# Altium PCB NG2092.PcbDoc (part 3 of 5) (continued)
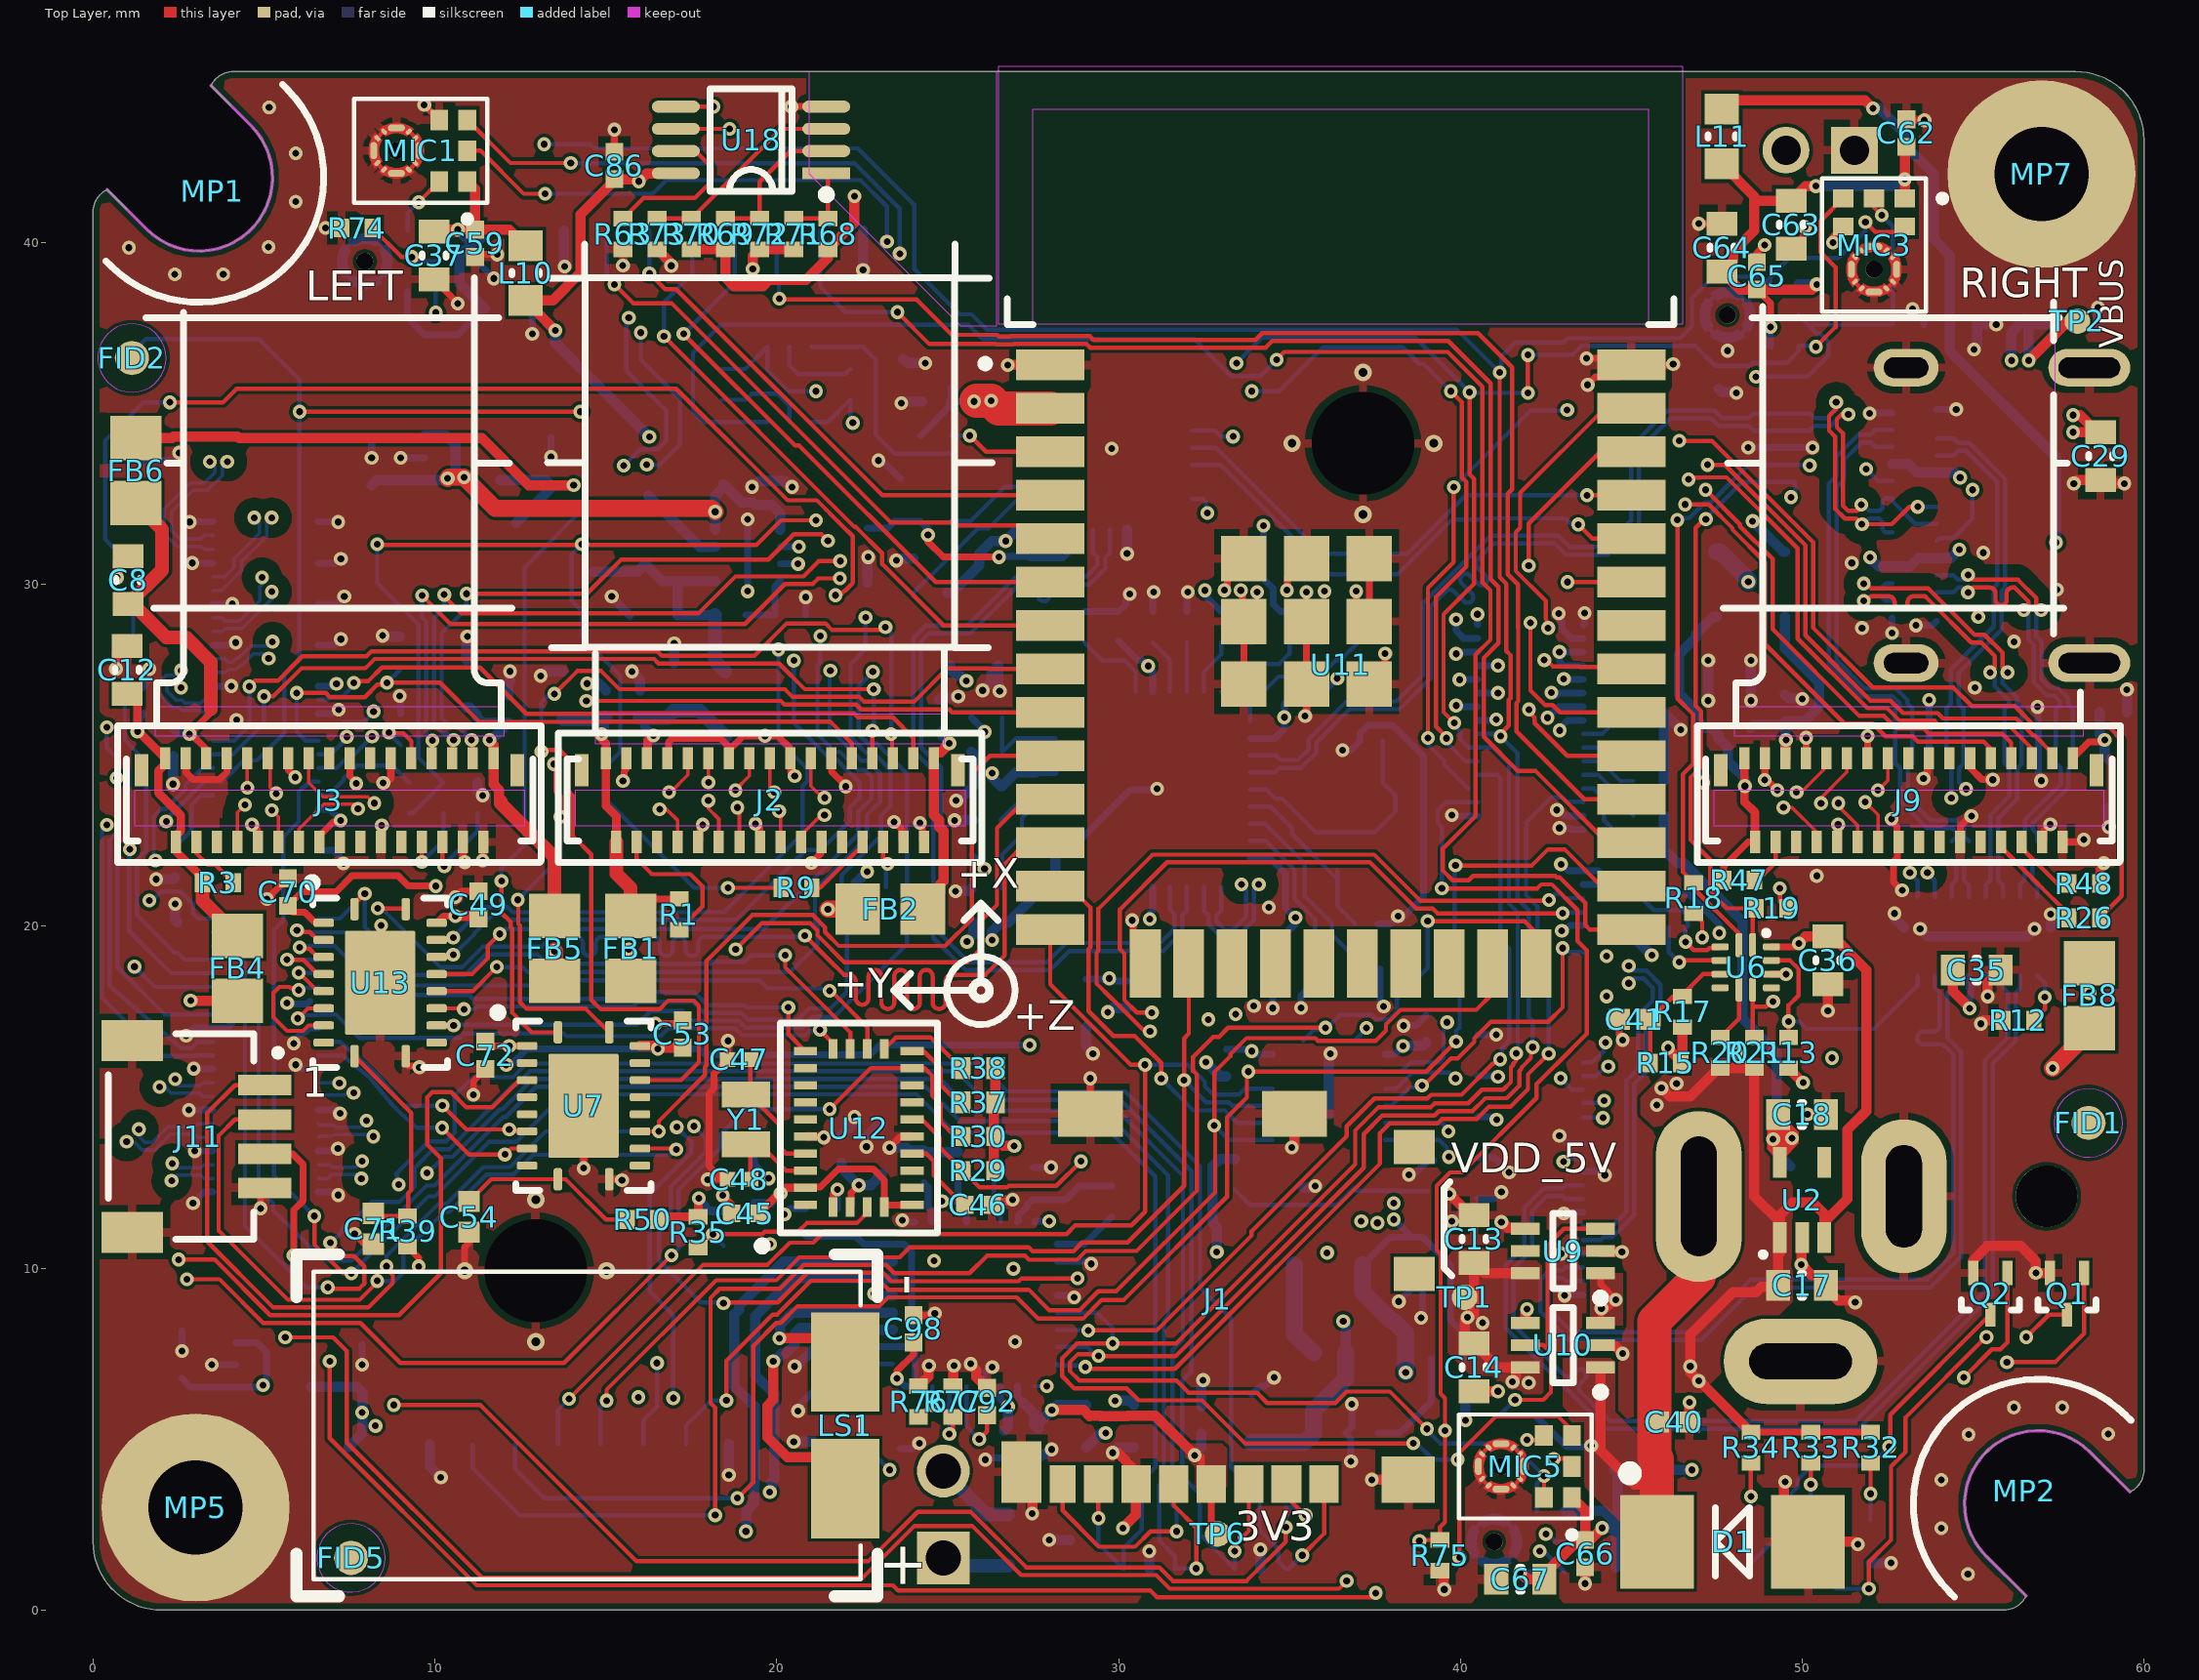
[diagram p0: Top Layer view]
## Nets (pads, with @x,y where several pads share a name; then routed paths per layer and width w, separated by ;. In a path a pad name is that pad's centre, name@x,y a point inside that pad or via, vN(x,y) a via of type N, cw(c..) or ccw(c..) an arc to the next point about the centre after c; other vN are vias at no path point) (continued)
  Bottom Layer w0.127: J5.3@20.025,40.35 20,40.325 20,38.817 20.064,38.753 20.064,38.371 v1(20.075,38.359)
ESP_GPIO27: U11.12 U13.20 | length 34.9
  Top Layer w0.125: v1(8.332,20.523) 9.127,20.523 U13.20@9.15,20.5 ; v1(20.825,19.725) 21.5,19.05 21.969,18.581 22.125,18.581 cw(c22.125,18.393) 22.313,18.393 22.313,17.893 ccw(c22.5,17.893) 22.688,17.893 22.688,18.537 cw(c22.875,18.537) 23.063,18.537 23.063,17.768 ccw(c23.25,17.768) 23.438,17.768 23.438,18.537 cw(c23.625,18.537) 23.813,18.537 23.813,17.768 ccw(c24,17.768) 24.188,17.768 24.188,18.537 cw(c24.375,18.537) 24.563,18.537 24.563,17.768 ccw(c24.75,17.768) 24.938,17.768 24.938,18.393 cw(c25.125,18.393) 25.125,18.581 25.4,18.581 26.106,18.581 26.672,19.147 26.672,21.822 27.297,22.447 U11.12@28,22.447
  Bottom Layer w0.125: v1(8.332,20.523) 8.444,20.523 10.167,18.8 10.8,18.8 11.4,19.4 13.05,19.4 13.108,19.4 13.399,19.691 14.144,19.691 cw(c14.144,19.503) 14.331,19.503 14.331,19.322 ccw(c14.519,19.322) 14.706,19.322 14.706,19.503 cw(c14.894,19.503) 14.894,19.691 16.394,19.691 cw(c16.394,19.503) 16.581,19.503 16.581,19.322 ccw(c16.769,19.322) 16.956,19.322 16.956,19.503 cw(c17.144,19.503) 17.331,19.503 17.331,19.322 ccw(c17.519,19.322) 17.706,19.322 17.706,19.503 cw(c17.894,19.503) 17.894,19.691 20.55,19.691 20.791,19.691 v1(20.825,19.725)
ESP_RXD0: U11.34 U15.26 | length 15.1
  Top Layer w0.125: v1(43.45,31.75) 43.862,31.337 U11.34@45,31.337
  Bottom Layer w0.125: U15.26@32.15,33.5 32.975,33.5 36.175,30.3 38.168,30.3 39.768,31.9 40.635,31.9 40.668,31.933 43.068,31.933 43.251,31.75 v1(43.45,31.75)
ESP_TXD0: U11.35 U15.25 | length 14.9
  Top Layer w0.125: v1(43.707,32.607) U11.35@45,32.607
  Bottom Layer w0.125: U15.25@32.15,34 32.85,34 35.509,31.341 35.509,31.284 35.893,30.9 38.45,30.9 40.157,32.607 v1(43.707,32.607)
FB_3.3VIN: R5.1 R6.2 U1.1 | length 3.2
  Bottom Layer w0.2: U1.1@37.6,5.175 38.225,5.175 R6.2@39.15,6.1 R5.1@39.15,7.35
FSIN1: J3.8 R24.2 | length 2.3
  Top Layer w0.125: v1(9.62,21.88) J3.8@9.62,22.466
  Bottom Layer w0.125: v1(9.62,21.88) 10.25,22.511 R24.2@10.25,23.3
FSIN2: J9.8 R26.2 | length 3.1
  Top Layer w0.125: J9.8@55.82,22.466 55.82,22.291 55.907,22.203 55.936,22.203 56.864,21.275 57,21.139 57.637,20.501 57.637,20.412 R26.2@57.8,20.25
FSIN3: J2.8 R9.1 | length 2.1
  Top Layer w0.125: R9.1@21.025,21.125 21.272,21.125 22.507,22.361 J2.8@22.507,22.466
GND: C1.1 C2.1 C3.1 C4.1 C5.1 C6.1 C7.1 C8.1 C9.1 C10.1 C11.1 C12.1 C13.1 C14.1 C15.1 C16.2 C17.1 C18.1 C19.1 C20.1 C21.1 C22.1 C23.1 C24.1 C25.1 C26.1 C27.1 C28.1 C29.1 C30.1 C35.1 C36.1 C37.1 C38.1 C39.1 C40.1 C41.1 C42.1 C43.1 C44.1 C45.1 C46.2 C47.1 C48.1 C49.1 C50.1 C51.1 C52.1 C53.1 C54.1 C55.1 C56.1 C57.1 C58.1 C59.1 C60.1 C61.1 C62.1 C63.1 C64.1 C65.1 C66.1 C67.1 C68.1 C69.1 C70.1 C71.1 C72.1 C73.1 C74.2 C75.2 C76.1 C77.1 C78.1 C79.1 C80.1 C81.1 C82.1 C83.1 C84.1 C85.1 C86.1 C91.1 C92.1 C93.1 C94.1 C95.1 C96.1 C97.1 C98.1 C99.1 C100.1 C101.1 C102.1 C103.1 D1.2 D2.1 D5.2 D6.3 D6.8 D7.3 D7.8 D8.3 D8.8 D9.2 D10.2 J1.6 J1.11 J1.12 J1.13 J1.14 J2.2 J2.4 J2.11 J2.12 J2.15 J2.18 J2.21 J2.24 J2.27 J2.31 J3.2 J3.4 J3.11 J3.12 J3.15 J3.18 J3.21 J3.24 J3.27 J3.31 J5.1 J5.8 J6.1 J6.8 J7.2 J7.3 J8.P1 J9.2 J9.4 J9.11 J9.12 J9.15 J9.18 J9.21 J9.24 J9.27 J9.31 J10.A1 J10.A12 J10.B1 J10.B12 J10.SH1 J10.SH2 J10.SH3 J10.SH4 J11.4 J11.S1 J11.S2 J12.1 J12.2 J12.7 J12.8 J12.13 J12.14 J12.19 J12.20 J12.25 J12.26 J12.30 J12.31 J12.44 J12.50 J12.71 J12.72 J12.75 J12.76 J12.81 J12.82 J12.87 J12.88 J12.93 J12.94 J12.99 J12.100 J13.1 J13.2 J13.3 J13.4 J13.13 J13.14 J13.15 J13.16 J13.29 J13.30 J13.32 J13.38 J13.40 J13.46 J13.61 J13.67 J13.73 J13.78 J13.79 J13.82 J13.85 J13.87 J13.88 J13.94 J13.100 MH1.1 MH2.1 MIC1.2 MIC1.3 MIC2.3 MIC3.2 MIC3.3 MIC4.3 MIC5.2 MIC5.3 MIC6.3 MP1.1 MP2.1 MP5.1 MP7.1 Q1.2 Q2.2 R2.2 R6.1 R8.1 R10.2 R11.1 R12.2 R16.2 R25.2 R27.2 R28.2 R31.1 R44.1 R48.2 R49.2 R53.1 R55.1 R56.1 R57.1 R58.1 R59.1 R60.1 R61.1 R62.1 R63.1 R65.1 R66.1 R67.1 R71.1 R72.1 R73.1 R74.2 R75.2 R76.1 R77.1 SW1.1 U1.2 U2.2 U3.2 U4.2 U4.3 U4.9 U5.5 U5.11 U5.20 U5.21 U6.10 U7.11 U7.21 U8.2 U9.2 U9.4 U10.2 U10.4 U11.1 U11.15 U11.38 U11.39 U12.2 U12.10 U12.25 U13.11 U13.21 U14.11 U14.21 U15.3 U15.29 U16.11 U16.37 U17.2 U17.4 U17.12 U17.21 U17.25 U17.33 U18.4 | length 267.8
  Top Layer w0.125: v1(41.95,4.975) 42.317,4.975 MIC5.2@42.442,5.1 ; MIC3.3@52.1,39.875 52.098,39.875 ccw(c52.098,39.215) MIC3.3@51.437,39.215 ccw(c52.1,39.215) MIC3.3@52.1,38.553 ccw(c52.1,39.215) MIC3.3@52.763,39.215 ccw(c52.1,39.215) MIC3.3@52.1,39.877
  Top Layer w0.2: J3.31@2.712,24.916 2.712,24.5 2.912,24.3 3.7,24.3 3.912,24.512 J3.27@3.912,24.916 ; v1(4.65,22.975) 4.822,22.803 4.822,22.468 J3.24@4.82,22.466 ; v1(4.9,11.75) 4.9,12.225 J11.4@5.025,12.35 ; v1(5.087,20.8) C70.1@5.687,21.4 ; J3.21@5.712,24.916 5.712,24.563 v1(5.918,24.357) ; J3.18@6.62,22.466 6.62,22.641 7.033,23.054 7.204,23.054 v1(7.243,23.094) ; v1(6.8,40.425) R74.2@7.275,40.425 ; J3.15@7.512,24.916 7.512,24.395 7.7,24.208 v1(7.7,24.175) ; v1(7.65,11) 7.95,10.7 C71.1@8.2,10.7 ; U13.21@8.4,18.35 8.425,18.375 v1(8.425,20.025) ; J3.12@8.42,22.466 8.421,22.467 8.421,22.896 8.462,22.937 v1(8.448,22.952) ; v1(8.49,24.192) 8.564,24.192 8.672,24.3 8.7,24.3 8.712,24.312 J3.11@8.712,24.916 ; U13.11@9.15,16.2 9.15,16 9.235,15.914 9.511,15.914 v1(9.55,15.875) ; v1(9.69,44.025) MIC1.2@10.127,43.587 ; C37.1@9.975,38.925 10.675,38.225 v1(10.667,38.217) v1@10.675,38.209 ; v1(10.6,20.85) 10.775,21.025 C49.1@11.275,21.025 ; J3.4@10.82,22.466 10.82,21.986 10.875,21.931 v1(10.875,21.875) ; v2(10.875,9.925) 10.875,10.615 11,10.74 C54.1@11,11.05 ; v1(11.125,15.075) 11.125,15.475 C72.1@11.475,15.825 ; C59.1@11.175,39.575 11.25,39.65 v1(11.825,39.65) ; v1(11.4,21.925) 11.41,21.935 11.41,22.456 J3.2@11.42,22.466 ; v1(14.35,12.925) U7.21@14.35,14.75 ; U7.11@15.1,12.6 15.45,12.6 v1(15.475,12.575) ; C86.1@15.25,42.65 v1(15.25,43.3) ; v1(15.502,24.252) 15.538,24.288 15.538,24.529 15.6,24.591 J2.31@15.6,24.916 ; v1(16.45,17.15) 17.15,17.15 C53.1@17.25,17.25 ; J2.27@16.8,24.916 16.842,24.958 16.842,25.386 16.956,25.5 18.35,25.5 18.6,25.25 J2.21@18.6,25.15 ; J2.24@17.707,22.466 17.757,22.516 17.757,22.84 17.833,22.916 v1(17.833,22.972) ; v1(17.984,12.591) 17.984,12.6 C48.1@18.4,12.6 ; v1(18.425,12.125) 18.675,11.875 C45.1@18.675,11.6 ; C48.1@18.57,12.6 C48.1@18.4,12.6 ; v1(18.575,16.65) 18.57,16.645 C47.1@18.57,16.1 18.16,15.69 18.16,15.257 18.018,15.114 18.018,12.982 C48.1@18.4,12.6 ; J2.21@18.6,24.916 J2.21@18.6,25.15 ; v1(19.375,23) 19.504,22.871 19.504,22.469 J2.18@19.507,22.466 ; J2.15@20.386,24.902 20.386,25.214 20.031,25.569 v1(19.658,25.569) 19.019,25.569 J2.21@18.6,25.15 ; J2.15@20.4,24.916 20.4,24.525 v1(20.529,24.396) ; v1(20.425,43.975) U18.4@21.45,43.975 ; U12.25@20.837,13.85 20.85,13.838 21.362,13.838 v1(21.375,13.825) ; v1(21.013,21.852) 21.307,22.146 J2.12@21.307,22.466 ; J2.11@21.6,24.916 21.6,24.525 22.03,24.095 v1(22.022,24.086) ; U12.2@21.65,11.788 21.65,12.175 v1(21.775,12.3) ; v1(23.3,13.525) 23.625,13.85 U12.10@23.962,13.85 ; v1(23.432,23.05) 23.437,23.05 23.657,22.83 23.657,22.516 J2.4@23.707,22.466 ; C98.1@24,8.625 24.575,8.625 v1(24.625,8.675) ; v1(24.188,23.025) 24.188,22.969 24.257,22.9 24.257,22.516 J2.2@24.307,22.466 ; v1(29.175,15.55) 29.177,15.548 J1.12@29.177,14.513 ; v1(30.4,20.175) 30.435,20.14 30.435,19.258 U11.15@30.785,18.907 ; v1(33.1,29.828) v1(33.1,29.828) 33.181,29.906 33.181,30.269 U11.39@33.665,30.752 ; v1(33.575,29.825) 33.625,29.775 33.625,28.957 U11.39@33.665,28.917 U11.39@33.665,27.082 ; v1(34.925,29.828) 34.935,29.838 34.935,30.187 U11.39@35.5,30.752 ; v1(35.458,26.153) 35.493,26.189 v1(35.493,29.777) ; v1(36.95,29.8) 36.95,29.302 U11.39@37.335,28.917 U11.39@37.335,30.752 ; U11.39@37.335,27.082 37.8,27.548 v1(37.8,27.975) ; v1(43.692,36.609) 44.808,36.609 U11.38@45,36.417 ; v1(43.725,35.835) 43.725,35.847 43.945,36.067 44.65,36.067 U11.38@45,36.417 ; C41.1@44.65,17.275 44.65,16.831 44.75,16.731 v1(44.75,16.675) ; v1(46.225,36.441) 46.202,36.417 U11.38@45,36.417 ; v1(46.975,40.55) C64.1@47.65,40.55 ; C65.1@48.675,39.425 48.675,39.7 v1(48.9,39.925) ; v1(48.904,24.278) 48.908,24.282 48.908,24.912 J9.31@48.912,24.916 48.912,24.338 v1(49.274,23.977) ; U6.10@49.1,18.6 v1(49.525,18.6) ; C63.1@49.675,39.825 50.075,40.225 50.075,40.447 v1(50.078,40.45) ; J9.27@50.112,24.916 v1(50.112,25.512) ; v1(50.9,40) 50.9,40.167 MIC3.2@51.2,40.467 ; J9.24@51.02,22.466 51.035,22.481 51.035,22.96 v1(51.05,22.975) ; J9.21@51.912,24.916 v1(51.912,25.562) ; v1(52.613,23.14) 52.613,23.084 52.774,22.923 52.774,22.511 J9.18@52.82,22.466 52.781,22.427 52.781,22.006 52.675,21.9 52.675,21.299 v1(52.924,21.05) ; C62.1@53.05,43.6 53.075,43.575 v1(53.575,43.575) ; v1(53.55,24.325) 53.55,24.381 53.662,24.493 53.662,24.866 J9.15@53.712,24.916 ; J9.12@54.62,22.466 54.62,22.925 54.92,23.225 v1(54.95,23.225) ; J9.11@54.912,24.916 54.912,24.637 55.261,24.288 v1(55.575,24.288) ; J9.4@57.02,22.466 57.07,22.516 57.07,22.792 v1(57.259,22.982) ; J9.2@57.62,22.466 58.115,22.466 58.182,22.533 v1(58.238,22.533) ; R48.2@58.7,21.25 58.7,21.667 58.825,21.793 v1(58.825,21.848)
  Top Layer w0.3: v1(0.671,27.527) 0.692,27.548 0.692,27.892 0.7,27.9 0.7,28 C12.1@0.9,28.2 ; v1(0.7,30.2) 0.72,30.22 0.72,30.52 0.725,30.525 0.725,30.625 C8.1@0.925,30.825 ; R73.1@16.5,39.8 16.915,39.385 v1(16.915,39.319) ; v1(19.3,39.225) 19.3,39.6 R72.1@19.5,39.8 R71.1@20.5,39.8 ; R76.1@24.15,6.55 24.433,6.833 24.433,7.131 v1(24.453,7.152) ; R77.1@25.15,6.55 25.167,6.567 25.167,7.129 v1(25.184,7.146) ; v1(25.675,7.2) 25.675,7.171 25.84,7.006 25.84,6.81 C92.1@26.15,6.5 ; C46.2@26.3,11.85 26.43,11.98 26.88,11.98 v1(26.9,12) ; v1(26.758,36.417) U11.1@28,36.417 ; J1.13@27.152,4.038 27.475,3.715 v1(27.475,2.825) ; v1(29.825,4.6) 29.975,4.6 30.512,4.063 J1.6@30.512,3.688 30.512,2.787 30.125,2.4 v1(30.125,2.397) ; v1(35.066,13.53) 35.147,13.611 J1.11@35.147,14.513 ; v1(37.413,3.813) J1.14@38.472,3.813 ; R75.2@39.4,1.15 39.434,1.15 39.509,1.075 39.509,0.624 v1(39.529,0.604) ; v1(39.675,12.175) 40.3,11.55 C13.1@40.4,11.55 ; C14.1@40.4,6.4 v1(41.1,6.4) ; v1(41.2,11.35) 41.229,11.35 41.404,11.175 41.875,11.175 U9.4@41.9,11.15 ; U10.4@41.9,8.4 41.9,8.721 41.95,8.771 v1(41.95,8.8) ; v1(43.65,0.775) C66.1@43.65,1.25 ; U10.2@44.1,7.75 44.125,7.725 44.521,7.725 44.746,7.5 v1(44.75,7.5) ; U9.2@44.1,10.5 44.112,10.487 44.713,10.487 v1(44.725,10.475) ; C40.1@46.7,5.5 v1(46.7,6.075) ; v1(49.5,3.75) 49.5,3.721 49.471,3.692 49.471,2.699 D1.2@50.17,2 51.518,2 51.596,1.922 v1(51.625,1.922) v1@51.625,1.95 ; U2.2@50,10.9 49.975,10.875 49.975,10.105 v1(49.973,10.103) 50.276,9.8 50.5,9.8 50.7,9.6 C17.1@50.7,9.5 50.7,9.4 51.05,9.05 51.425,9.05 51.454,9.02 51.53,9.02 v1(51.55,9) ; v1(50.15,14.5) C18.1@50.7,14.5 ; v1(50.75,17.525) C36.1@50.75,18.3 ; Q2.2@55,9.86 55,10.225 55.425,10.65 56.387,10.65 56.835,10.202 v1(56.835,9.86) Q1.2@57.25,9.86 ; v1(55.225,17.15) 55.325,17.25 R12.2@55.875,17.25 ; v1(55.425,17.95) 55.425,18.35 C35.1@55.8,18.725 ; v1(57.947,32.95) 58.047,33.05 C29.1@58.725,33.05 58.825,32.95 v1(59.425,32.95)
  Bottom Layer w0.125: v1(47.815,36.835) MIC4.3@47.815,37.212 ; MIC4.3@47.815,37.212 ccw(c47.815,37.875) MIC4.3@48.478,37.875 ccw(c47.815,37.875) MIC4.3@47.815,38.537 ccw(c47.815,37.875) MIC4.3@47.153,37.875 ccw(c47.815,37.875) MIC4.3@47.815,37.212
  Bottom Layer w0.2: SW1.1@1.4,33.625 2.3,33.625 v1(2.525,33.85) ; v1(2.6,7.575) C19.1@2.6,8.175 ; v1(2.725,16.8) 2.95,17.025 J12.75@3.51,17.025 3.925,17.025 4.06,17.16 4.06,17.708 3.943,17.825 J12.71@3.51,17.825 ; v1(2.8,14.625) J12.87@3.51,14.625 ; v1(2.825,31.825) J12.1@3.51,31.825 ; v1(2.9,30.625) J12.7@3.51,30.625 ; v1(2.925,11.9) 3.25,12.225 J12.99@3.51,12.225 ; v1(2.948,15.837) 3.016,15.825 J12.81@3.51,15.825 ; v1@2.975,13.425 J12.93@3.51,13.425 ; v1(3.475,7.175) U3.2@4.175,7.175 ; J12.31@3.51,25.825 3.985,25.825 v1(4.198,26.038) ; J12.25@3.51,27.025 v1(4.046,27.025) ; J12.19@3.51,28.225 3.96,28.225 3.995,28.261 4.136,28.261 v1(4.175,28.3) ; J12.13@3.51,29.425 v1(4.075,29.425) ; v1(5.678,17.759) 5.707,17.73 6.255,17.73 J12.72@6.34,17.815 ; v1(5.875,16.575) 5.875,16.631 5.978,16.734 5.978,16.736 6.157,16.915 6.213,16.915 6.323,17.025 J12.76@6.59,17.025 ; v1(5.925,15.95) 5.981,15.95 6.084,15.847 6.118,15.847 6.14,15.825 J12.82@6.59,15.825 ; J12.100@6.59,12.225 7.026,12.225 7.114,12.136 v1(7.17,12.136) ; J12.94@6.59,13.425 6.6,13.435 7.048,13.435 7.109,13.496 v1(7.165,13.496) ; J12.88@6.59,14.625 7.125,14.625 v1(7.225,14.525) ; J12.50@6.59,22.225 7.04,22.225 7.222,22.043 7.222,21.997 7.325,21.893 v1(7.325,21.838) ; J12.44@6.59,23.425 6.923,23.425 7.243,23.105 v1(7.243,23.094) ; J12.30@6.59,26.225 7.021,26.225 7.131,26.335 v1(7.187,26.335) ; J12.26@6.59,27.025 6.998,27.025 7.065,27.092 v1(7.121,27.092) ; J12.20@6.59,28.225 7.075,28.225 v1(7.25,28.4) ; J12.14@6.59,29.425 7.125,29.425 v1(7.35,29.65) ; J12.8@6.59,30.625 7.069,30.625 7.194,30.75 v1(7.25,30.75) ; J12.2@6.59,31.825 v1(7.175,31.825) ; v1(7.875,7.175) C20.1@7.875,7.775 ; v1(8.15,33.7) C38.1@8.15,34.3 ; v1(8.971,26.737) 9,26.708 R2.2@9,26.2 ; v1(9,33.7) U8.2@9.7,33.7 ; C61.1@11.35,39.325 v1(11.725,38.95) ; v1(12.85,37.325) C60.1@12.85,38.075 ; v1(13.4,33.725) C39.1@13.4,34.3 ; v1(19.15,29.8) U4.9@19.15,30.85 v1(19.15,31.9) ; C43.1@19.35,13.3 19.35,13.038 v1(19.763,12.625) ; U4.3@20.1,30.6 v1(20.625,30.6) ; U4.2@20.1,31.1 v1(20.65,31.1) ; v1(20.225,11.575) 20.225,11.585 20.39,11.75 C99.1@20.85,11.75 ; v1(20.625,5.825) 20.625,5.95 C93.1@21.1,6.425 ; R8.1@20.85,29.1 v1(20.85,29.625) ; C101.1@21.775,11.725 v1(21.775,12.3) ; v1(22.975,33.625) 23.075,33.625 C57.1@23.6,33.1 ; 23.6,4.725 23.958,4.725 24.114,4.881 v1(24.17,4.881) ; v1(23.675,11.4) 23.714,11.361 23.814,11.361 23.825,11.35 U17.25@24.05,11.35 ; U17.12@26.05,6.55 26.05,6.893 26.262,7.106 v1(26.308,7.106) ; v1(26.1,4.4) 26.15,4.45 C95.1@26.65,4.45 ; C103.1@27.5,12.95 v1(28.025,12.95) ; U16.11@28.15,22.5 28.85,22.5 30.35,24 U16.37@31,24 31.1,24 v1(31.125,24.025) ; U17.4@28.2,9.2 28.65,9.2 v1(28.7,9.15) ; U17.2@28.2,10.2 29.125,10.2 v1(29.2,10.125) ; R58.1@29,29.2 30,29.2 30.21,29.41 30.21,29.548 30.325,29.663 v1(30.325,29.719) ; R57.1@31,29.2 31,29.75 v1(31.025,29.775) ; R59.1@32,29.2 32,29.75 v1(32.025,29.775) ; C15.1@33.9,6.3 34.15,6.55 34.3,6.55 v1(34.55,6.8) ; C76.1@34,29.15 34,29.725 v1(34.052,29.777) ; v1(34.509,17.604) 34.509,18.149 34.75,18.39 C81.1@34.75,18.85 ; v1(35.34,17.614) 35.34,17.965 35.75,18.375 R65.1@35.75,18.75 ; C82.1@35.9,26.75 v1(36.4,27.25) ; R56.1@36,29.2 36,29.775 v1(36.025,29.8) ; v1(36.55,25.15) 36.795,25.15 C75.2@37.07,25.425 37.07,25.645 37.3,25.875 38.025,25.875 38.925,24.975 38.925,20.867 v1@38.266,20.209 ; v1(36.8,4.35) 36.8,5.025 U1.2@36.65,5.175 36.825,5.35 v1(36.825,6.025) ; v1(36.95,29.8) 37,29.75 R62.1@37,29.2 ; C74.2@37.58,20.075 37.95,20.075 v1(38.175,20.3) ; C77.1@37.65,18.75 37.65,17.766 v1(37.757,17.658) ; v1(38.2,9.025) 38.575,9.4 C16.2@38.9,9.4 ; v1(38.335,17.093) 38.693,17.093 C51.1@39,17.4 ; v1@38.492,12.742 v1(38.492,12.734) 38.634,12.734 C52.1@39.05,13.15 C52.1@39.225,13.15 ; v1(38.85,8.55) 38.9,8.6 C16.2@38.9,9.3 ; v1(39.75,11.369) 40.006,11.625 J13.87@40.51,11.625 ; v1(39.75,23.25) 39.775,23.225 J13.29@40.51,23.225 ; v1(39.875,26.456) 39.906,26.425 J13.13@40.51,26.425 ; v1(39.875,28.975) 39.875,28.65 40.1,28.425 J13.3@40.51,28.425 ; v1(40.5,29.125) 40.5,28.835 J13.1@40.51,28.825 ; J13.85@40.51,12.025 40.98,12.025 41.18,12.225 v1(41.2,12.225) ; J13.79@40.51,13.225 41,13.225 v1(41.425,12.8) ; J13.73@40.51,14.425 40.86,14.425 40.902,14.383 41.02,14.383 v1(41.059,14.344) ; J13.67@40.51,15.625 41.075,15.625 v1(41.1,15.6) ; J13.61@40.51,16.825 v1(41.05,16.825) ; J13.15@40.51,26.025 41.025,26.025 v1(41.05,26.05) ; v1(42.55,26.1) 42.553,26.1 42.875,26.422 43.092,26.422 43.095,26.425 J13.14@43.59,26.425 ; v1(42.825,23.4) 42.87,23.4 43.045,23.225 J13.30@43.59,23.225 ; v1(42.875,29.15) 42.914,29.111 42.914,28.949 42.972,28.892 42.972,28.678 42.975,28.675 42.99,28.675 43.24,28.425 J13.4@43.59,28.425 ; v1(42.9,13.875) 43.15,13.625 J13.78@43.59,13.625 ; v1(42.9,22.875) 42.911,22.864 43.201,22.864 43.24,22.825 J13.32@43.59,22.825 ; v1(42.904,25.729) 42.9,25.729 42.9,25.794 43.131,26.025 J13.16@43.59,26.025 ; v1(42.944,21.815) 42.967,21.815 43.157,21.625 J13.38@43.59,21.625 44.033,21.625 44.15,21.508 44.15,21.375 44,21.225 J13.40@43.59,21.225 ; v1(42.95,10.425) 43.24,10.425 J13.94@43.59,10.425 ; v1(42.968,19.868) 43.008,19.907 43.088,19.907 43.206,20.025 J13.46@43.59,20.025 ; v1(43.025,11.6) 43.05,11.625 J13.88@43.59,11.625 ; v1(43.05,9.2) 43.075,9.225 J13.100@43.59,9.225 ; J13.82@43.59,12.825 44.07,12.825 44.171,12.724 v1(44.226,12.724) ; J13.2@43.59,28.825 43.621,28.825 43.631,28.835 v1(43.631,29.16) ; v1(48.422,34) D6.3@49.79,34 v1(50.3,34) ; v1(51.975,35) 51.995,35.02 J10.A1@52.63,35.02 ; v1(52.63,28.58) J10.A12@52.63,29.02 ; v1(53.225,38.05) 53.55,37.725 R10.2@53.55,37.6 ; v1(53.325,28.8) 53.81,28.8 J10.B1@53.93,28.92 ; v1(53.55,24.325) 53.55,24.381 53.715,24.545 D7.3@53.715,25.185 D7.8@53.715,25.965 v1(53.715,26.62) ; J10.B12@53.93,35.12 v1(54.505,35.12) ; U5.5@55.377,18.558 55.377,17.998 v1(55.425,17.95) ; v1(56.882,26.417) 56.898,26.401 56.898,25.981 D8.8@56.915,25.965 D8.3@56.915,25.185 56.915,24.391 56.992,24.314 v1(56.992,24.258)
  Bottom Layer w0.25: v1(15.175,29.65) 15.175,29.625 C22.1@15.7,29.1
  Bottom Layer w0.3: C11.1@1.4,27 1.51,27.11 1.51,27.356 1.65,27.496 v1(1.65,27.525) ; v1(1.85,21.375) 2.35,21.375 R67.1@2.4,21.425 ; v1(2.339,24.159) 2.339,24.964 C7.1@2.35,24.975 ; v1(2.4,20.653) 2.4,20.2 R49.2@2.475,20.125 ; v1(8.475,28.5) 8.495,28.48 8.595,28.48 8.6,28.475 R27.2@8.975,28.475 ; J6.1@9.85,4.85 9.85,4.2 v1(10.175,3.875) ; C10.1@10.925,27.8 10.925,28.25 10.93,28.255 10.93,28.455 v1(10.95,28.475) ; R28.2@11.25,24.2 11.25,23.975 v1(11.397,23.828) ; C9.1@12.15,26.75 12.15,27.11 12.191,27.151 12.191,27.446 v1(12.2,27.455) ; v1(13.1,27.325) 13.129,27.325 13.254,27.45 C6.1@13.75,27.45 ; J5.8@13.775,40.35 13.775,39.354 13.8,39.329 v1(13.8,39.3) ; v1(14.45,27.1) 14.466,27.116 14.784,27.116 C5.1@15,26.9 ; v1(15.765,27.454) 16,27.22 C1.1@16,26.9 ; C2.1@17,27.7 v1(17,28.275) ; v1(18.6,3.95) J6.8@18.6,4.85 ; v1(19.275,32.85) 19.304,32.85 19.479,33.025 C21.1@19.85,33.025 20.246,33.025 20.421,32.85 v1(20.45,32.85) ; v1(20.5,4.925) C91.1@21.075,4.925 ; v1(20.525,7.125) 20.575,7.125 C100.1@21.15,7.7 ; C44.1@21.9,13.875 22.255,14.23 22.255,14.405 v1(22.275,14.425) ; R25.2@22.3,21.15 22.3,21.25 v1(22.65,21.6) ; v1(22.525,39.2) J5.1@22.525,40.35 ; v1(22.625,13.55) 22.628,13.553 22.628,13.853 22.925,14.15 C42.1@23.075,14.15 ; C58.1@22.65,30.05 22.65,30.6 22.655,30.605 22.655,30.78 v1(22.675,30.8) ; v1(22.85,9.253) 22.903,9.2 U17.21@23.4,9.2 ; v1(23.3,13.525) 23.8,13.525 23.875,13.45 24.3,13.45 R66.1@24.35,13.4 ; v1(23.5,30.7) 23.529,30.7 23.579,30.75 R44.1@24,30.75 ; v1(23.65,35.3) 23.679,35.3 23.729,35.35 C55.1@24.25,35.35 ; C56.1@23.7,36.6 23.825,36.475 v1(24.35,36.475) ; R66.1@24.3,13.4 C102.1@25.3,13.4 ; C3.1@24.75,26.625 24.826,26.701 25.289,26.701 v1(25.309,26.721) ; v1(25.2,23.1) C78.1@25.75,23.1 ; v1(25.228,21.025) 25.625,21.025 R53.1@25.7,21.1 ; v1(25.25,23.675) 25.325,23.675 C84.1@25.75,24.1 25.75,25.05 R55.1@25.7,25.1 ; v1(25.569,19.55) 25.569,19.579 25.75,19.76 C85.1@25.75,20.1 ; v1(26.025,26.9) 26.275,27.15 26.275,27.425 C4.1@26.475,27.625 26.475,26.925 v1(26.525,26.875) ; C97.1@27.65,4.45 27.76,4.56 27.879,4.56 28.018,4.699 v1(28.047,4.699) ; v1(27.975,2.05) D10.2@28.575,2.05 ; C79.1@29.05,17.05 29.05,16.504 29.25,16.304 v1(29.25,16.275) ; v1(29.689,17.489) 29.717,17.489 29.829,17.6 C80.1@30.25,17.6 ; v1(29.825,4.6) 29.975,4.75 C94.1@30.45,4.75 ; v1(29.9,6.121) 30.329,6.121 C96.1@30.45,6 ; v1(30.25,30.9) U15.3@30.25,31.6 ; D9.2@30.9,1.2 v1(30.9,1.725) ; C73.1@32.425,5.95 32.425,6.646 32.475,6.696 v1(32.475,6.725) ; v1(32.56,16.023) 32.983,15.6 C50.1@33.15,15.6 ; D5.2@34.15,1.2 v1(34.15,1.775) ; U14.11@35.4,12.35 35.671,12.35 35.721,12.4 v1(35.75,12.4) ; U14.21@36.15,14.5 36.15,16.125 36.18,16.155 36.18,16.255 v1(36.2,16.275) ; v1(40.15,5.55) R6.1@40.15,6.1 ; R16.2@45.2,19.975 45.2,19.554 v1(45.6,19.154) ; R31.1@45.95,24.25 R60.1@45.95,25.25 R61.1@45.95,26.25 v1(46.45,25.75) ; v1(47.1,24.2) C27.1@47.1,24.75 ; v1(47.25,26.6) C28.1@47.25,27.2 v1(47.25,27.775) ; 47.55,35.725 47.655,35.62 48.055,35.62 v1(48.075,35.6) ; v1(48.5,26.6) C24.1@48.5,27.2 v1(48.5,27.775) ; C23.1@49.5,26.775 49.605,26.67 49.98,26.67 v1(50,26.65) ; D2.1@52,1.375 v1(52.6,1.375) ; v1(52.7,20.375) 52.7,20.235 U5.11@52.977,19.958 ; v1(53.45,19.925) 53.667,19.708 U5.21@55.127,19.708 56.583,19.708 v1(56.8,19.925) ; v1(55.025,36.875) 55.125,36.975 55.125,37.675 55.2,37.6 v1(55.675,37.6) ; v1(57.272,20.35) 57.3,20.35 57.277,20.327 U5.20@57.277,19.958 ; R11.1@58.65,37.6 v1(58.65,38.1) ; v1(58.975,22.9) C26.1@58.975,23.475 ; C25.1@59.5,26.25 v1(59.5,26.925)
  other v1: 26.975,7.85 26.925,9.984 24.6,10.216 2.975,13.425 33.96,17.667 44.275,17.95 44.275,19.125 34.4,20.55 50.425,21.475 55.05,26.975 56.2,28.325 51.75,28.725 55.15,29.05 57.45,29.85 51.45,30.625 55.3,30.925 29.8,33.975 15.5,39.325
  other v2: 12.95,7.85 15.025,9.925 12.95,12 37.15,32.05 35.075,34.125 39.225,34.125 37.15,36.2
GPIO8/SPI0_CS_1: J12.60 U12.18 U13.1 | length 20.5
  Top Layer w0.125: U13.1@7.65,20.5 U13.1@7.65,20.65 ; v1(20.25,19.152) 20.25,18.8 22.15,16.9 U12.18@22.15,16.413 ; U13.1@7.65,20.65 7.65,20.697 7.712,20.76 7.734,20.76 7.924,20.95 v1(7.95,20.95) U13.1@7.65,20.65
  Bottom Layer w0.125: J12.60@6.59,20.225 7.225,20.225 v1(7.95,20.95) 7.95,19.983 9.358,18.575 10.893,18.575 11.493,19.175 12.995,19.175 13.261,18.909 18.081,18.909 18.131,18.959 19.056,18.959 19.249,19.152 v1(20.25,19.152)
I2C1_SCL: J2.7 J12.35 | length 23.3
  Top Layer w0.125: v1(5,26.725) 5.275,26.725 6.1,27.55 7.97,27.55 8.24,27.82 13.078,27.82 16.412,27.82 16.548,27.684 20.074,27.684 20.824,26.934 22.835,26.934 v1(22.838,26.931) ; J2.7@22.8,24.916 v1(22.8,25.725)
  Bottom Layer w0.125: J12.35@3.51,25.025 4.088,25.025 5,25.937 v1(5,26.725) ; v1(22.8,25.725) 22.838,25.763 v1(22.838,26.931)
I2C1_SDA: J2.5 J12.33 | length 25.9
  Top Layer w0.125: v1(4.57,27.014) 4.737,27.181 5.406,27.181 6.125,27.9 8.002,27.9 8.147,28.045 16.505,28.045 16.641,27.909 19.342,27.909 20.292,28.859 21.426,28.859 21.62,28.666 23.101,28.666 v1(23.18,28.745) ; v1(23.35,25.625) 23.375,25.6 23.375,24.941 J2.5@23.4,24.916
  Bottom Layer w0.125: J12.33@3.51,25.425 4.135,25.425 4.576,25.866 4.576,27.008 v1(4.57,27.014) ; v1(23.18,28.745) 23.35,28.575 v1(23.35,25.625)
I2C2_SCL: J3.7 J9.7 J12.77 | length 79.2
  Top Layer w0.125: v1(9.625,29.675) 10.459,28.841 19.073,28.841 20.242,30.009 21.051,30.009 21.217,30.175 v1(21.847,30.175) ; J3.7@9.912,24.916 9.912,25.421 v1(9.929,25.438) ; v1(47.175,32.765) 48.184,31.756 48.184,31.699 49.134,30.749 49.134,28.691 51.672,26.153 52.393,26.153 52.762,25.784 53.555,25.784 53.711,25.628 55.856,25.628 56.112,25.372 J9.7@56.112,24.916
  Inner Layer 1 w0.125: v1(0.691,24.334) 1.507,24.334 2.351,25.178 5.778,25.178 6.675,26.075 6.675,26.45 6.938,26.713 8.444,26.713 8.957,26.2 9.167,26.2 v1(9.929,25.438)
  Inner Layer 2 w0.125: v1(21.847,30.175) 22.037,29.984 29.749,29.984 30.074,30.309 30.724,30.309 30.834,30.419 39.669,30.419 41.46,32.21 44.439,32.21 44.932,32.703 47.113,32.703 v1(47.175,32.765)
  Bottom Layer w0.125: v1(0.691,24.334) 0.769,24.256 0.769,22.807 0.487,22.525 0.487,18.264 0.561,18.191 2.561,16.447 cw(c2.316,15.61) 2.601,16.434 2.876,16.434 3.067,16.625 J12.77@3.51,16.625 ; v1(9.625,29.675) 9.625,29.043 9.75,28.918 9.75,25.617 v1(9.929,25.438)
I2C2_SDA: J3.5 J9.5 J12.79 | length 83.3
  Top Layer w0.125: v1(10.275,29.7) 10.275,29.65 10.775,29.15 17.71,29.15 18.795,30.234 20.784,30.234 21.231,30.681 v1(21.858,30.681) ; J3.5@10.512,24.916 10.512,25.412 v1(10.55,25.45) ; v1(46.675,33.069) 46.729,33.123 47.015,33.123 47.024,33.131 47.786,33.131 49.866,31.051 49.866,28.416 51.904,26.378 52.487,26.378 52.855,26.009 53.873,26.009 54.029,25.853 56.068,25.853 56.712,25.209 J9.5@56.712,24.916
  Inner Layer 1 w0.125: v1(0.403,22.968) 0.403,23.897 0.325,23.975 0.325,25.23 0.769,25.674 0.769,25.686 1.186,26.103 2.937,26.103 3.237,26.404 4.35,26.404 4.619,26.134 6.041,26.134 6.6,26.693 6.6,27.25 6.9,27.55 8.863,27.55 10.55,25.863 v1(10.55,25.45)
  Inner Layer 2 w0.125: v1(21.858,30.681) 22.33,30.209 29.656,30.209 29.981,30.534 30.631,30.534 30.74,30.644 39.429,30.644 41.854,33.069 v1(46.675,33.069)
  Bottom Layer w0.125: v1(0.403,22.968) 0.262,22.828 0.262,17.913 1.55,16.625 1.966,16.209 2.97,16.209 2.985,16.225 J12.79@3.51,16.225 ; v1(10.275,29.7) 10.275,29.325 9.975,29.025 9.975,25.914 10.257,25.632 10.368,25.632 v1(10.55,25.45)
I2C3_SCL_1V8: J12.78 U7.7 U17.9 U18.6 | length 68.5
  Top Layer w0.125: v1(10.219,14.754) 10.917,14.056 v1(12.175,14.056) ; v1@12.175,14 U7.7@12.7,14 ; U18.6@17.05,43.325 v1(18.625,43.325)
  Inner Layer 1 w0.125: v1(16.2,33.5) 16.175,33.475 16.175,25.869 16.032,25.726 16.032,23.797 15.809,23.574 15.809,22.581 17.95,20.44 17.95,13.905 17.797,13.753 17.447,13.753 v1(17.075,14.125)
  Inner Layer 2 w0.125: v1(12.175,14.056) 15.467,14.056 15.89,13.634 16.701,13.634 17.075,14.008 v1(17.075,14.125) ; v1(16.025,37.363) 16.344,37.681 16.756,37.681 17.856,38.781 17.856,39.194 18.725,40.063 18.725,43.225 v1(18.625,43.325) ; v1(16.975,6.2) 17.27,6.495 23.281,6.495 23.37,6.406 27.68,6.406 27.824,6.55 v1(27.9,6.55)
  Bottom Layer w0.125: J12.78@6.59,16.625 7.225,16.625 8.196,15.784 cw(c7.625,15.125) 8.289,15.69 9.023,14.827 9.096,14.754 9.148,14.754 v1(10.219,14.754) ; v1(16.025,37.363) 16.025,36.575 17.175,35.425 17.175,34.1 16.575,33.5 v1(16.2,33.5) ; v1(16.975,6.2) 16.975,8.625 16.284,9.316 16.284,12.165 17.497,13.378 17.497,13.703 v1(17.075,14.125) ; U17.9@27.55,6.55 v1(27.9,6.55)
I2C3_SCL_3V3: J11.1 U7.14 U11.10 | length 44.6
  Top Layer w0.125: J11.1@5.025,15.35 4.15,15.35 3.341,14.541 3.341,10.784 5.275,8.85 8.05,8.85 8.771,9.571 8.771,9.791 8.584,9.978 v1(8.584,10.054) ; U7.14@16,14 v1(16.55,14) 16.55,14.302 17.898,15.649 17.898,15.879 17.948,15.929 17.948,18.99 19.289,20.331 21.054,20.331 21.416,19.97 21.416,19.829 21.82,19.425 24.926,19.425 25.715,20.214 25.715,24.465 26.237,24.987 U11.10@28,24.987
  Bottom Layer w0.125: v1(8.584,10.054) 8.584,10.359 10.1,11.875 10.334,11.875 11.418,12.959 12.201,12.959 13.242,14 v1(16.55,14)